# Altium PCB Thunderscope_Rev3.PCBDOC (part 6 of 6)
Units mm, origin at the board's own origin, x right, y up, seen from the top; angles counter-clockwise.
Board outline 119 x 104 mm, 6 copper layers (Top Layer, Int1 (GND), Int2 (Sign), Int3 (Sign), Int4 (GND), Bottom Layer), stack 1.49 mm thick; 575 components, 342 nets, 2000 pads, 1216 vias.
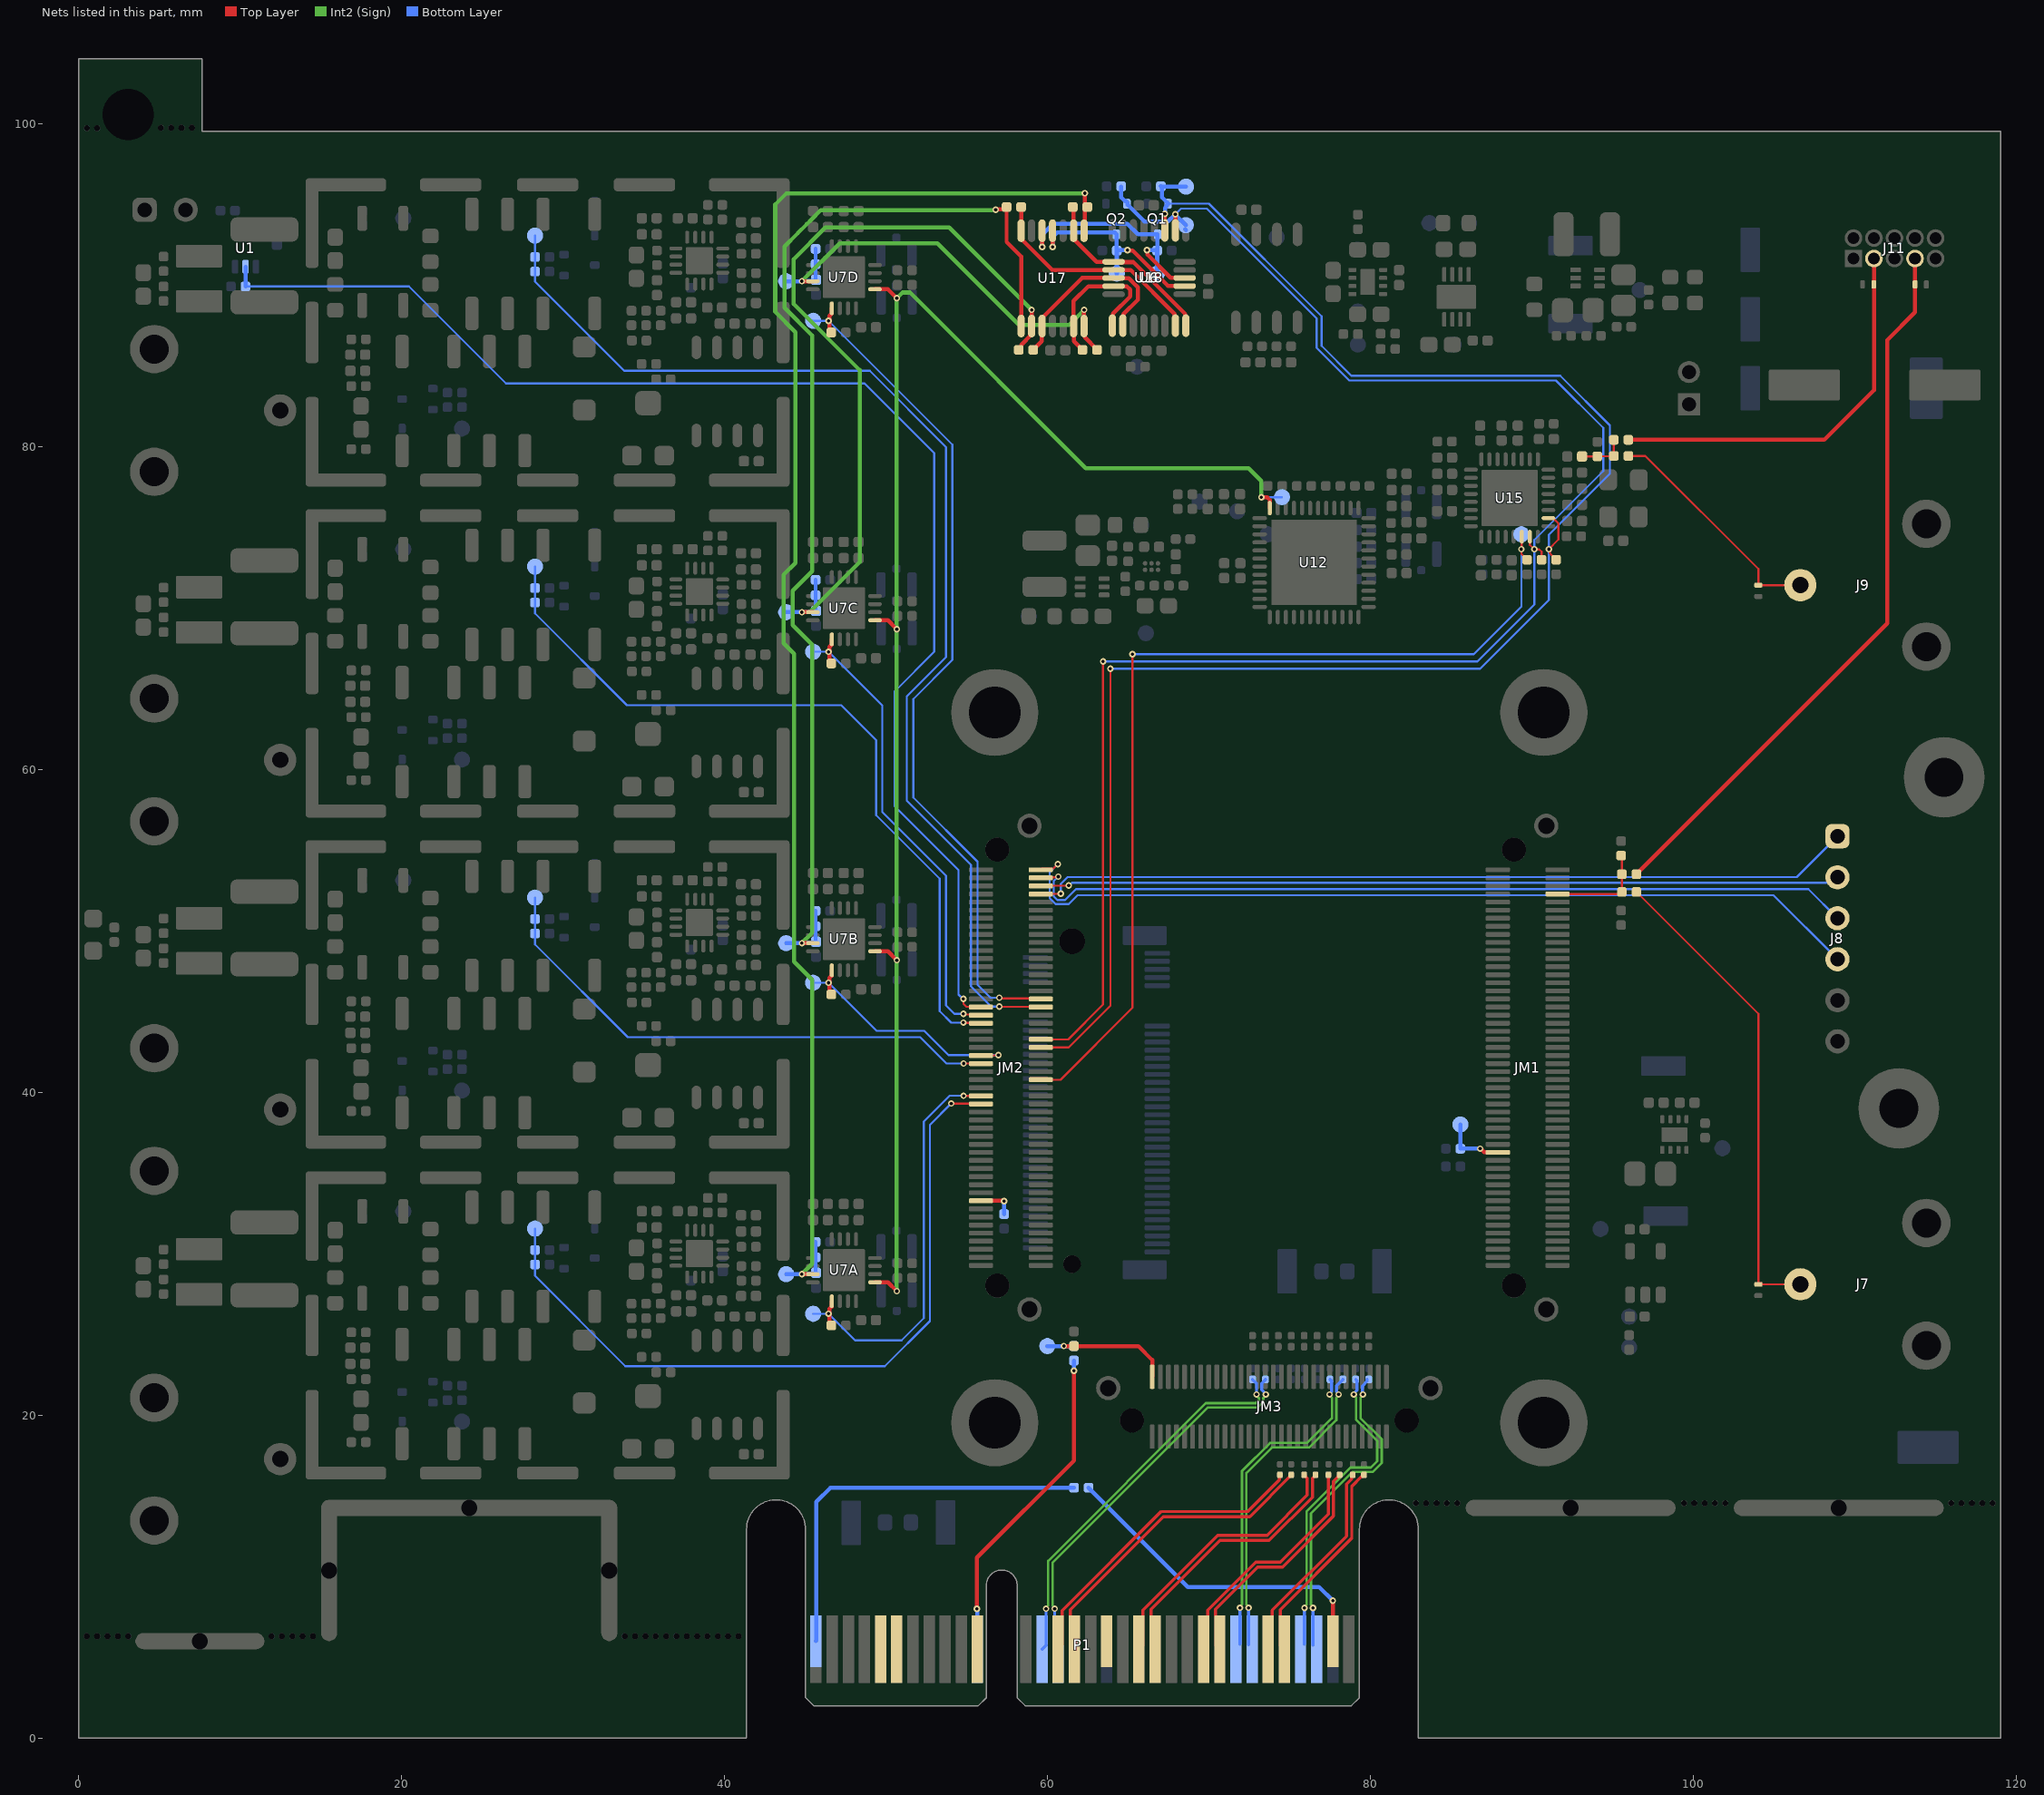
[diagram p10: the nets of this part, all layers, seen from the top]

## Via types
v1: diameter 0.406, hole 0.203, Top Layer to Bottom Layer, tented both sides, 1216 vias

## Nets (pads, with @x,y where several pads share a name; then routed paths per layer and width w, separated by ;. In a path a pad name is that pad's centre, name@x,y a point inside that pad or via, vN(x,y) a via of type N, cw(c..) or ccw(c..) an arc to the next point about the centre after c; other vN are vias at no path point) (continued)
PCIe_PER2_N: C66.1 P1.A26 | length 20.3
  Int2 (Sign) w0.148: v1@72.429,8.135 72.3,8.264 72.3,16.425 73.871,17.996 76.171,17.996 77.868,19.693 77.868,21.062 78.011,21.205 v1(78.011,21.275)
  Bottom Layer w0.191: P1.A26@72.429,5.776 v1(72.429,8.065) ; v1(78.011,21.275) 78.011,21.333 77.889,21.455 77.889,21.819 78.152,22.081 78.161,22.081 78.275,22.195 C66.1@78.275,22.21
PCIe_PER2_P: C67.1 P1.A25 | length 20.2
  Int2 (Sign) w0.148: v1@71.896,8.135 72.025,8.264 72.025,16.539 73.757,18.27 76.057,18.27 77.593,19.807 77.593,21.062 77.45,21.205 v1(77.45,21.275)
  Bottom Layer w0.191: P1.A25@71.896,5.819 v1(71.896,8.065) ; v1(77.45,21.275) 77.45,21.333 77.572,21.455 77.572,22.113 C67.1@77.475,22.21
PCIe_PER3_N: C62.1 P1.A30 | length 19.7
  Int2 (Sign) w0.148: v1@76.429,8.121 76.3,8.25 76.3,11.113 76.3,13.911 78.864,16.475 80.114,16.475 80.675,17.036 80.675,18.514 79.368,19.821 79.368,21.062 79.511,21.205 v1(79.511,21.275)
  Bottom Layer w0.191: P1.A30@76.429,5.762 v1(76.429,8.051) ; v1(79.511,21.275) 79.474,21.312 79.474,21.794 79.775,22.095 C62.1@79.775,22.21
PCIe_PER3_P: C15.1 P1.A29 | length 19.7
  Int2 (Sign) w0.148: v1@75.896,8.121 76.025,8.25 76.025,10.999 76.025,14.025 78.75,16.75 80,16.75 80.4,17.15 80.4,18.4 79.093,19.707 79.093,21.062 78.95,21.205 v1(78.95,21.275)
  Bottom Layer w0.191: P1.A29@75.896,5.805 v1(75.896,8.051) ; v1(78.95,21.275) 78.95,21.333 79.157,21.54 79.157,22.128 C15.1@79.075,22.21
PCIe_PERST#: P1.A11 R84.2 | length 20.4
  Top Layer w0.254: v1(55.616,8) 55.616,11.166 61.625,17.175 v1(61.625,22.745)
  Bottom Layer w0.254: v1(55.616,8) 55.633,7.983 55.633,5.517 P1.A11@55.65,5.5 ; v1(61.625,22.745) R84.2@61.625,23.375
PCIe_PET0_N: P1.B15 R80.2 | length 19.7
  Top Layer w0.191: P1.B15@61.65,5.5 61.4,5.75 61.4,7.95 67.157,13.707 72.507,13.707 75.075,16.275 R80.2@75.075,16.3
PCIe_PET0_P: P1.B14 R81.2 | length 19.6
  Top Layer w0.191: P1.B14@60.65,5.5 60.9,5.75 60.9,7.899 67.026,14.025 72.376,14.025 74.342,15.991 74.342,16.267 R81.2@74.375,16.3
PCIe_PET1_N: P1.B20 R76.2 | length 16.9
  Top Layer w0.191: P1.B20@66.65,5.5 66.4,5.75 66.4,7.975 70.657,12.232 73.707,12.232 76.384,14.909 76.384,16.084 76.575,16.275 R76.2@76.575,16.3
PCIe_PET1_P: P1.B19 R77.2 | length 17
  Top Layer w0.191: P1.B19@65.65,5.5 65.9,5.75 65.9,7.924 70.526,12.55 73.576,12.55 76.066,15.041 76.066,16.084 75.875,16.275 R77.2@75.875,16.3
PCIe_PET2_N: P1.B24 R72.2 | length 15
  Top Layer w0.191: P1.B24@70.65,5.5 70.395,5.755 70.395,7.614 70.393,7.616 70.393,7.968 73.007,10.582 74.532,10.582 77.693,13.743 77.693,15.893 77.995,16.195 77.995,16.22 R72.2@78.075,16.3
PCIe_PET2_P: P1.B23 R73.2 | length 15
  Top Layer w0.191: P1.B23@69.9,5.249 69.9,7.924 72.876,10.9 74.401,10.9 77.375,13.874 R73.2@77.375,16.3
PCIe_PET3_N: P1.B28 R68.2 | length 13.1
  Top Layer w0.191: P1.B28@74.65,5.5 74.4,5.75 74.4,7.95 78.824,12.374 78.824,15.588 79.431,16.195 79.495,16.195 79.575,16.275 R68.2@79.575,16.3
PCIe_PET3_P: P1.B27 R69.2 | length 13
  Top Layer w0.191: P1.B27@73.905,5.316 73.905,7.904 78.506,12.505 78.506,15.72 78.807,16.021 78.807,16.232 R69.2@78.875,16.3
PCIe_REFCLK_N: C40.1 P1.A14 | length 24.3
  Int2 (Sign) w0.148: v1(60.429,8.009) 60.429,8.079 60.3,8.209 60.3,9.567 60.3,10.861 69.903,20.464 72.989,20.464 73.347,20.822 73.347,21.052 73.5,21.205 v1(73.5,21.275)
  Bottom Layer w0.191: v1(60.429,8.009) 60.429,5.721 P1.A14@60.65,5.5 ; C40.1@73.475,22.21 73.475,22.185 73.243,21.953 73.243,21.57 73.5,21.312 v1(73.5,21.275)
PCIe_REFCLK_P: C79.1 P1.A13 | length 24.3
  Int2 (Sign) w0.148: v1(59.896,8.009) 59.896,8.079 60.025,8.208 60.025,9.453 60.025,10.975 69.789,20.739 72.875,20.739 73.072,20.936 73.072,21.058 72.925,21.205 v1(72.925,21.275)
  Bottom Layer w0.191: P1.A13@59.65,5.5 59.905,5.755 59.896,5.763 v1(59.896,8.009) ; C79.1@72.675,22.21 72.675,22.195 72.789,22.081 72.798,22.081 72.925,21.955 v1(72.925,21.275)
PERST#: JM3.60 R84.1 R85.1 TP39.1 | length 8.5
  Top Layer w0.254: v1(60.995,24.275) R85.1@61.625,24.275 65.6,24.275 66.468,23.407 JM3.60@66.468,22.372
  Bottom Layer w0.254: TP39.1@59.975,24.275 v1(60.995,24.275) R84.1@61.625,24.275
PGA_CSn_1: JM2.43 R29A.1 TP26A.1 U7A.9 | length 26.1
  Top Layer w0.127: v1@54.789,39.773 JM2.43@55.831,39.773
  Top Layer w0.25: v1(46.425,26.275) 46.488,26.212 46.488,25.662 R29A.1@46.6,25.55 ; v1@46.442,26.275 46.488,26.321 46.488,26.58 46.625,26.717 U7A.9@46.625,27.05
  Bottom Layer w0.127: TP26A.1@45.475,26.275 v1(46.425,26.275) 48.075,24.625 50.95,24.625 52.325,26 52.325,38.175 53.925,39.775 v1(54.787,39.775)
PGA_CSn_2: JM2.53 R29B.1 TP26B.1 U7B.9 | length 16
  Top Layer w0.127: JM2.53@55.877,42.285 v1@56.933,42.285
  Top Layer w0.25: v1(46.425,46.775) 46.488,46.712 46.488,46.162 R29B.1@46.6,46.05 ; v1@46.442,46.775 46.488,46.821 46.488,47.08 46.625,47.217 U7B.9@46.625,47.55
  Bottom Layer w0.127: TP26B.1@45.475,46.775 v1(46.425,46.775) 49.4,43.8 52.35,43.8 53.85,42.3 v1(56.947,42.3)
PGA_CSn_3: JM2.63 R29C.1 TP26C.1 U7C.9 | length 29.9
  Top Layer w0.127: v1(54.775,44.85) 54.815,44.81 55.794,44.81 JM2.63@55.831,44.773
  Top Layer w0.25: v1(46.425,67.275) 46.488,67.212 46.488,66.662 R29C.1@46.6,66.55 ; v1@46.442,67.275 46.488,67.321 46.488,67.58 46.625,67.717 U7C.9@46.625,68.05
  Bottom Layer w0.127: TP26C.1@45.475,67.275 v1(46.425,67.275) 49.75,63.95 49.75,57.35 53.7,53.4 53.7,45.375 54.225,44.85 v1(54.775,44.85)
PGA_CSn_4: JM2.68 R29D.1 TP26D.1 U7D.9 | length 53.8
  Top Layer w0.127: v1(57,45.85) 57.04,45.81 59.527,45.81 JM2.68@59.565,45.773
  Top Layer w0.25: v1(46.425,87.775) 46.488,87.712 46.488,87.162 R29D.1@46.6,87.05 ; v1@46.442,87.775 46.488,87.821 46.488,88.08 46.625,88.217 U7D.9@46.625,88.55
  Bottom Layer w0.127: TP26D.1@45.475,87.775 v1(46.425,87.775) 54.1,80.1 54.1,66.775 51.675,64.35 51.675,58.25 55.65,54.275 55.65,46.65 56.45,45.85 v1(57,45.85)
PGOOD: JM1.29 R101.1 TP2.1 | length 3.9
  Top Layer w0.254: v1(86.775,36.5) 86.816,36.5 87.023,36.294 87.844,36.294 JM1.29@87.867,36.271
  Bottom Layer w0.254: TP2.1@85.55,38 R101.1@85.55,36.5 v1(86.775,36.5)
PLL_RSTn: JM2.48 R89.1 TP44.1 U15.30 | length 60.8
  Top Layer w0.127: JM2.48@59.567,40.771 60.796,40.771 65.25,45.225 v1(65.25,67.125) ; U15.30@89.35,74.4 89.338,74.388 89.338,73.638 v1(89.325,73.625) 89.325,73.325 R89.1@89.675,72.975
  Bottom Layer w0.127: v1(65.25,67.125) 86.375,67.125 89.325,70.075 v1(89.325,73.625) TP44.1@89.325,74.55
PROBE_COMP: JM2.65 R2.2 U1.2 | length 86.2
  Top Layer w0.127: v1(54.775,45.775) 54.777,45.773 54.777,45.473 54.965,45.285 JM2.65@55.877,45.285
  Bottom Layer w0.127: R2.2@10.325,89.9 20.45,89.9 26.453,83.897 48.653,83.897 52.975,79.575 52.975,67.275 50.525,64.825 50.525,57.7 54.475,53.75 54.475,46.05 54.75,45.775 v1(54.775,45.775)
  Bottom Layer w0.254: R2.2@10.325,89.9 U1.2@10.325,91.125
PRSNT1#: P1.A1 R86.1 | length 25
  Bottom Layer w0.254: P1.A1@45.637,6.012 P1.A1@45.65,6 45.675,6.025 45.675,14.625 46.55,15.5 R86.1@61.625,15.5
PRSNT2#_1: P1.B17
PRSNT2#_4: P1.B31 R86.2 | length 20.5
  Top Layer w0.254: P1.B31@77.65,6 v1(77.65,8.5)
  Bottom Layer w0.254: R86.2@62.525,15.5 68.675,9.35 76.8,9.35 v1(77.65,8.5)
REFINOUT: C96.2 R88.2 R106.2 R107.2 | length 3
  Top Layer w0.127: C96.2@93.085,79.375 R88.2@94.025,79.375 94.038,79.387 95.037,79.387 R106.2@95.05,79.4 R107.2@95.05,80.4
REFINOUT1: D5.1 J9.1 R106.1 | length 14.5
  Top Layer w0.127: R106.1@95.95,79.4 97,79.4 104,72.4 D5.1@104,71.4 J9.1@106.6,71.4
REFINOUT2: D6.1 J11.3 R107.1 | length 24.6
  Top Layer w0.254: R107.1@95.95,80.4 108.075,80.4 111.16,83.485 J11.3@111.16,91.63
RESIN: JM2.17 R66.1 | length 2.2
  Top Layer w0.254: JM2.17@55.867,33.271 57.279,33.271 v1(57.3,33.25)
  Bottom Layer w0.254: R66.1@57.3,32.45 v1(57.3,33.25)
SCL: JM2.58 Q2.3 R21.1 R90.1 TP43.1 U15.31 U18.10 | length 109
  Top Layer w0.127: JM2.58@59.567,43.271 61.271,43.271 63.425,45.425 v1(63.425,66.675) ; U15.31@89.85,74.4 89.854,74.396 89.854,73.896 v1(90.125,73.625) 90.131,73.619 90.422,73.619 90.575,73.466 R90.1@90.575,72.975
  Top Layer w0.254: U18.10@67.9,93.375 v1(67.9,94.375)
  Bottom Layer w0.127: v1(63.425,66.675) 86.6,66.675 90.125,70.2 v1(90.125,73.625) 90.125,74.2 94.4,78.475 94.4,81.134 91.459,84.075 86.975,84.075 78.676,84.075 76.65,86.101 76.65,87.925 69.85,94.725 68.25,94.725 v1(67.9,94.375)
  Bottom Layer w0.254: R21.1@64.55,96.075 64.55,95.42 64.772,95.198 64.837,95.198 64.945,95.09 64.945,94.96 65.987,93.918 67.443,93.918 v1(67.9,94.375) ; v1@67.9,94.35 TP43.1@68.55,93.7 ; TP43.1@68.497,93.453 TP43.1@68.55,93.4
SCL_5V: Q2.1 R23.1 TP20.1 U6.2 U17.4 | length 13.2
  Top Layer w0.254: v1(60.3,92.35) U17.4@60.3,93.35 ; v1(64.931,92.146) 64.941,92.136 65.239,92.136 67.432,89.943 68.457,89.943 U6.2@68.475,89.925
  Bottom Layer w0.254: v1(60.3,92.35) 60.3,92.95 60.588,93.238 64.142,93.238 64.25,93.13 64.25,92.15 R23.1@64.275,92.125 TP20.1@64.275,90.7 ; R23.1@64.302,92.14 v1@64.925,92.14
SDA: JM2.56 Q1.3 R20.1 R91.1 TP42.1 U15.2 U18.11 | length 109.9
  Top Layer w0.127: JM2.56@59.567,42.771 61.296,42.771 63.875,45.35 v1(63.875,66.225) ; U15.2@91,75.55 91.3,75.55 91.625,75.225 91.625,74.225 v1(91.025,73.625) 91.078,73.572 91.078,73.372 R91.1@91.475,72.975 ; R91.1@91.475,72.95 R91.1@91.625,73.1
  Top Layer w0.254: U18.11@67.25,93.375 v1(67.25,94.4)
  Bottom Layer w0.127: v1(63.875,66.225) 86.775,66.225 91.025,70.475 v1(91.025,73.625) 91.025,74.525 94.8,78.3 94.8,81.3 91.725,84.375 78.8,84.375 76.95,86.225 76.95,88.049 69.974,95.025 Q1.3@67.46,95.025
  Bottom Layer w0.254: R20.1@67,96.1 R20.1@67.01,96.09 ; v1(67.25,94.4) 67.265,94.415 67.265,94.775 67.342,94.852 67.342,94.917 Q1.3@67.395,94.97 ; Q1.3@67.45,95.025 Q1.3@67.395,94.97 ; TP42.1@68.56,96.08 68.549,96.09 R20.1@67.01,96.09 ; R20.1@67.01,96.09 67.066,96.034 67.066,95.419 67.395,95.09 Q1.3@67.395,94.97
SDA_5V: Q1.1 R22.1 TP21.1 U6.3 U17.5 | length 15.7
  Top Layer w0.254: v1(59.65,92.35) U17.5@59.65,93.35 ; v1(66.139,92.148) 66.168,92.119 66.168,91.882 67.607,90.443 68.457,90.443 U6.3@68.475,90.425
  Bottom Layer w0.254: v1(59.65,92.35) 59.65,93.1 60.325,93.775 64.925,93.775 65.575,93.125 Q1.1@66.8,93.125 66.8,92.15 R22.1@66.775,92.125 TP21.1@66.775,90.7 ; v1@66.144,92.154 R22.1@66.768,92.154
SMCLK: P1.B5
SMDAT: P1.B6
SYNC: JM1.94 R108.2 R109.2 R110.2 | length 6.3
  Top Layer w0.127: JM1.94@91.567,52.271 95.421,52.271 R108.2@95.55,52.4 95.55,54.6 R110.2@95.5,54.65
SYNC1: D4.1 J7.1 R108.1 | length 29.9
  Top Layer w0.127: R108.1@96.45,52.4 104,44.85 D4.1@104,28.1 ; D4.1@104.094,28.1 D4.1@104.179,28.186 ; 104.261,28.1 J7.1@106.6,28.1
SYNC2: D7.1 J11.7 R109.1 | length 45.3
  Top Layer w0.254: R109.1@96.45,53.5 111.975,69.025 111.975,86.575 113.7,88.3 J11.7@113.7,91.63
TCK: J8.4 JM2.100 | length 54.3
  Top Layer w0.127: JM2.100@59.567,53.771 59.646,53.85 60.35,53.85 v1(60.625,54.125)
  Bottom Layer w0.127: v1(60.625,54.125) 60.121,53.621 60.121,52.02 60.488,51.652 61.296,51.652 61.843,52.2 104.93,52.2 J8.4@108.9,48.23
TDI: J8.2 JM2.96 | length 49.6
  Top Layer w0.127: JM2.96@59.567,52.771 59.582,52.785 61.285,52.785 v1(61.3,52.8)
  Bottom Layer w0.127: v1(61.3,52.8) 61.339,52.8 61.514,52.975 108.193,52.975 108.528,53.31 J8.2@108.9,53.31
TDO: J8.3 JM2.98 | length 52.1
  Top Layer w0.127: JM2.98@59.567,53.271 59.607,53.31 60.61,53.31 v1(60.65,53.35)
  Bottom Layer w0.127: v1(60.65,53.35) 60.375,53.075 60.375,52.125 60.594,51.906 61.072,51.906 61.741,52.575 107.095,52.575 J8.3@108.9,50.77
TERM_1: JM2.41 R56A.2 R96A.2 TP24A.1 | length 46.7
  Top Layer w0.127: v1(54.025,39.3) 54.04,39.285 JM2.41@55.877,39.285
  Bottom Layer w0.127: TP24A.1@28.25,31.55 R96A.2@28.25,30.225 R56A.2@28.25,29.325 28.25,28.625 33.843,23.032 49.907,23.032 52.7,25.825 52.7,37.975 v1(54.025,39.3)
TERM_2: JM2.51 R56B.2 R96B.2 TP24B.1 | length 33.5
  Top Layer w0.127: v1@54.789,41.773 JM2.51@55.831,41.773
  Bottom Layer w0.127: TP24B.1@28.25,52.05 R96B.2@28.25,50.725 R56B.2@28.25,49.825 28.25,49.15 34,43.4 52.1,43.4 53.725,41.775 v1(54.787,41.775)
TERM_3: JM2.61 R56C.2 R96C.2 TP24C.1 | length 48.6
  Top Layer w0.127: v1(54.775,44.308) 54.793,44.289 55.848,44.289 JM2.61@55.865,44.273
  Bottom Layer w0.127: TP24C.1@28.25,72.55 R96C.2@28.25,71.225 R56C.2@28.25,70.325 28.25,69.65 33.94,63.96 47.215,63.96 49.375,61.8 49.375,57.15 53.3,53.225 53.3,45.025 54.017,44.308 v1(54.775,44.308)
TERM_4: JM2.66 R56D.2 R96D.2 TP24D.1 | length 73.4
  Top Layer w0.127: v1(57,45.3) 57.015,45.285 59.552,45.285 JM2.66@59.565,45.273
  Bottom Layer w0.127: TP24D.1@28.25,93.05 R96D.2@28.25,91.725 R56D.2@28.25,90.825 28.25,90.2 33.775,84.675 48.975,84.675 53.7,79.95 53.7,66.941 51.275,64.516 51.275,58.05 55.25,54.075 55.25,46.55 56.5,45.3 v1(57,45.3)
TMS: J8.1 JM2.94 | length 51.2
  Top Layer w0.127: JM2.94@59.567,52.271 59.582,52.285 60.785,52.285 v1(60.8,52.3)
  Bottom Layer w0.127: v1(60.8,52.3) 60.8,52.9 61.225,53.325 106.375,53.325 J8.1@108.9,55.85
TRIM1: C102A.1 R15.1 R97A.1 R98A.2 TP23A.1 U7A.7 U17.1 | length 94.4
  Top Layer w0.25: v1@44.761,28.725 v1(44.775,28.725) U7A.7@45.45,28.725 ; U17.1@62.25,93.35 62.288,93.388 62.288,94.738 62.375,94.825 62.3,94.9 v1(62.3,95.675)
  Int2 (Sign) w0.254: v1(44.775,28.725) 45.418,29.368 45.418,46.957 44.3,48.075 44.3,67.15 43.65,67.8 43.65,72.05 44.375,72.775 44.375,87.075 43.125,88.325 43.125,94.975 43.825,95.675 v1(62.3,95.675)
  Bottom Layer w0.25: TP23A.1@43.8,28.725 v1(44.775,28.725) 44.805,28.755 45.595,28.755 C102A.1@45.65,28.81 ; C102A.1@45.625,28.835 R98A.2@45.625,29.775 R97A.1@45.625,30.725
TRIM2: C102B.1 R17.1 R97B.1 R98B.2 TP23B.1 U7B.7 U17.8 | length 72.1
  Top Layer w0.25: v1@44.761,49.225 v1(44.775,49.225) U7B.7@45.45,49.225 ; v1(56.775,94.65) 56.817,94.65 56.849,94.682 57.307,94.682 R17.1@57.45,94.825 57.45,92.65 58.35,91.75 U17.8@58.35,87.45
  Int2 (Sign) w0.254: v1(44.775,49.225) 45.418,49.868 45.418,67.711 44.206,68.923 44.206,71.056 45.418,72.268 45.418,86.857 43.7,88.575 43.7,92.375 44.503,93.178 44.503,93.182 45.089,93.768 ; 45.089,93.768 45.357,94.036 45.956,94.634 56.759,94.634 v1(56.775,94.65)
  Bottom Layer w0.25: TP23B.1@43.8,49.225 v1(44.775,49.225) 44.805,49.255 45.595,49.255 C102B.1@45.65,49.31 ; C102B.1@45.625,49.335 R98B.2@45.625,50.275 R97B.1@45.625,51.225
TRIM3: C102C.1 R18.1 R97C.1 R98C.2 TP23C.1 U7C.7 U17.9 | length 50.3
  Top Layer w0.25: v1@44.761,69.725 v1(44.775,69.725) U7C.7@45.45,69.725 ; R18.1@58.188,85.988 R18.1@58.2,85.975 58.36,86.135 58.36,86.28 59,86.921 v1(59,88.45)
  Int2 (Sign) w0.254: v1(44.775,69.725) 45.25,69.725 48.35,72.825 48.35,84.725 44.275,88.8 44.275,91.597 46.228,93.55 53.9,93.55 v1(59,88.45)
  Bottom Layer w0.25: TP23C.1@43.8,69.725 v1(44.775,69.725) 44.805,69.755 45.595,69.755 C102C.1@45.65,69.81 ; C102C.1@45.625,69.835 R98C.2@45.625,70.775 R97C.1@45.625,71.725
TRIM4: C102D.1 R19.1 R97D.1 R98D.2 TP23D.1 U7D.7 U17.14 | length 28.3
  Top Layer w0.25: v1@44.761,90.225 v1(44.775,90.225) U7D.7@45.45,90.225 ; v1(62.25,88.45) U17.14@62.25,87.45 62.288,87.412 62.288,86.75 63.05,85.989 R19.1@63.05,85.975 R19.1@63.075,85.95
  Int2 (Sign) w0.254: v1(44.775,90.225) 47.125,92.575 53.175,92.575 58.225,87.525 60.35,87.525 61.325,87.525 v1(62.25,88.45)
  Bottom Layer w0.25: TP23D.1@43.8,90.225 v1(44.775,90.225) 44.805,90.255 45.595,90.255 C102D.1@45.65,90.31 45.625,90.335 R98D.2@45.625,91.275 R97D.1@45.625,92.225
VCM: TP16.1 U7A.13 U7B.13 U7C.13 U7D.13 U12.48 | length 98.7
  Top Layer w0.254: U7A.13@49.3,28.225 50.1,28.225 v1(50.65,27.675) ; U7B.13@49.3,48.725 50.1,48.725 v1(50.65,48.175) ; U7C.13@49.3,69.225 50.1,69.225 v1(50.65,68.675) ; U7D.13@49.3,89.725 50.1,89.725 v1(50.65,89.175) ; v1(73.229,76.846) 73.584,76.846 73.743,76.687 U12.48@73.743,76.175
  Int2 (Sign) w0.254: v1(50.65,27.675) v1(50.65,48.175) v1(50.65,68.675) v1(50.65,89.175) 51,89.525 51.475,89.525 62.35,78.65 72.425,78.65 73.229,77.846 v1(73.229,76.846)
  Bottom Layer w0.127: v1(73.229,76.846) 73.231,76.848 74.498,76.848 TP16.1@74.5,76.85
  Bottom Layer w0.254: v1@73.227,76.844 v1(73.229,76.846)
VOUT1: R15.2 U6.6 U17.2 U18.8 | length 11.6
  Top Layer w0.254: R15.2@61.475,94.825 61.6,94.7 61.6,92.848 63.023,91.425 U6.6@64.075,91.425 64.093,91.407 65.293,91.407 68.512,88.188 68.512,87.513 U18.8@68.55,87.475
VOUT2: R17.2 U6.7 U17.7 U18.7 | length 14.1
  Top Layer w0.254: R17.2@58.35,94.825 U17.7@58.35,93.35 58.35,92.848 60.273,90.925 U6.7@64.075,90.925 64.093,90.907 65.143,90.907 67.862,88.188 67.862,87.513 U18.7@67.9,87.475
VOUT3: R18.2 U6.8 U17.10 U18.2 | length 12.2
  Top Layer w0.254: R18.2@59.1,85.975 59.625,86.5 59.625,87.425 U17.10@59.65,87.45 59.65,87.952 62.123,90.425 U6.8@64.075,90.425 64.093,90.407 65.018,90.407 65.575,89.85 65.575,89.075 64.688,88.188 64.688,87.513 U18.2@64.65,87.475
VOUT4: R19.2 U6.9 U17.13 U18.1 | length 9.9
  Top Layer w0.254: R19.2@62.15,85.975 61.625,86.5 61.625,87.425 U17.13@61.6,87.45 61.6,89 62.507,89.907 64.057,89.907 U6.9@64.075,89.925 64.093,89.907 64.893,89.907 65.1,89.7 65.1,89.275 64.038,88.213 64.038,87.513 U18.1@64,87.475
WAKE#: P1.B11
pads on no net: J10.1 J10.7 J10.9 J10.11 J10.21 J10.23 J10.25 J10.27 J10.29 J10.31 J10.33 J10.35 J10.37 J10.39 J10.41 J10.43 J10.45 J10.47 J10.55 J10.57 J10.67 J10.68 J10.75 J10.78 J10.79 JM1. JM1.3 JM1.5 JM1.8 JM1.9 JM1.11 JM1.13 JM1.15 JM1.17 JM1.18 JM1.20 JM1.21 JM1.22 JM1.23 JM1.24 JM1.26 JM1.28 JM1.31 JM1.32 JM1.34 JM1.35 JM1.36 JM1.37 JM1.38 JM1.39 JM1.40 JM1.41 JM1.42 JM1.44 JM1.45 JM1.46 JM1.47 JM1.48 JM1.49 JM1.50 JM1.51 JM1.52 JM1.56 JM1.58 JM1.66 JM1.68 JM1.70 JM1.72 JM1.75 JM1.77 JM1.80 JM1.82 JM1.84 JM1.86 JM1.88 JM1.91 JM1.92 JM1.98 JM1.100 JM2. JM2.6 JM2.9 JM2.11 JM2.12 JM2.13 JM2.14 JM2.15 JM2.16 JM2.18 JM2.20 JM2.21 JM2.22 JM2.23 JM2.24 JM2.25 JM2.26 JM2.27 JM2.28 JM2.30 JM2.32 JM2.34 JM2.36 JM2.38 JM2.67 JM2.71 JM2.72 JM2.73 JM2.74 JM2.75 JM2.76 JM2.77 JM2.78 JM2.81 JM2.82 JM2.83 JM2.84 JM2.85 JM2.86 JM2.87 JM2.88 JM2.90 JM2.91 JM2.93 JM2.95 JM2.97 JM2.99 JM3. JM3.1 JM3.2 JM3.3 JM3.4 JM3.31 JM3.33 JM3.37 JM3.38 JM3.39 JM3.40 JM3.41 JM3.42 JM3.43 JM3.44 JM3.47 JM3.48 JM3.49 JM3.50 JM3.51 JM3.52 JM3.53 JM3.54 JM3.55 JM3.56 JM3.57 JM3.58 JM3.59 P1.A2 P1.A3 P1.A19 P1.A32 P1.B1 P1.B2 P1.B3 P1.B12 P1.B30 R55A.1 R55B.1 R55C.1 R55D.1 U1.1 U5.1 U5.5 U5.8 U6.5 U7A.1 U7A.2 U7A.16 U7B.1 U7B.2 U7B.16 U7C.1 U7C.2 U7C.16 U7D.1 U7D.2 U7D.16 U8A.9 U8A.13 U8A.16 U8B.9 U8B.13 U8B.16 U8C.9 U8C.13 U8C.16 U8D.9 U8D.13 U8D.16 U9A.1 U9A.5 U9A.8 U9B.1 U9B.5 U9B.8 U9C.1 U9C.5 U9C.8 U9D.1 U9D.5 U9D.8 U11.6 U15.4 U15.10 U15.11 U15.15 U15.20 U15.21 U16.4